# KiCad board weisse_cpu.kicad_pcb (continued)
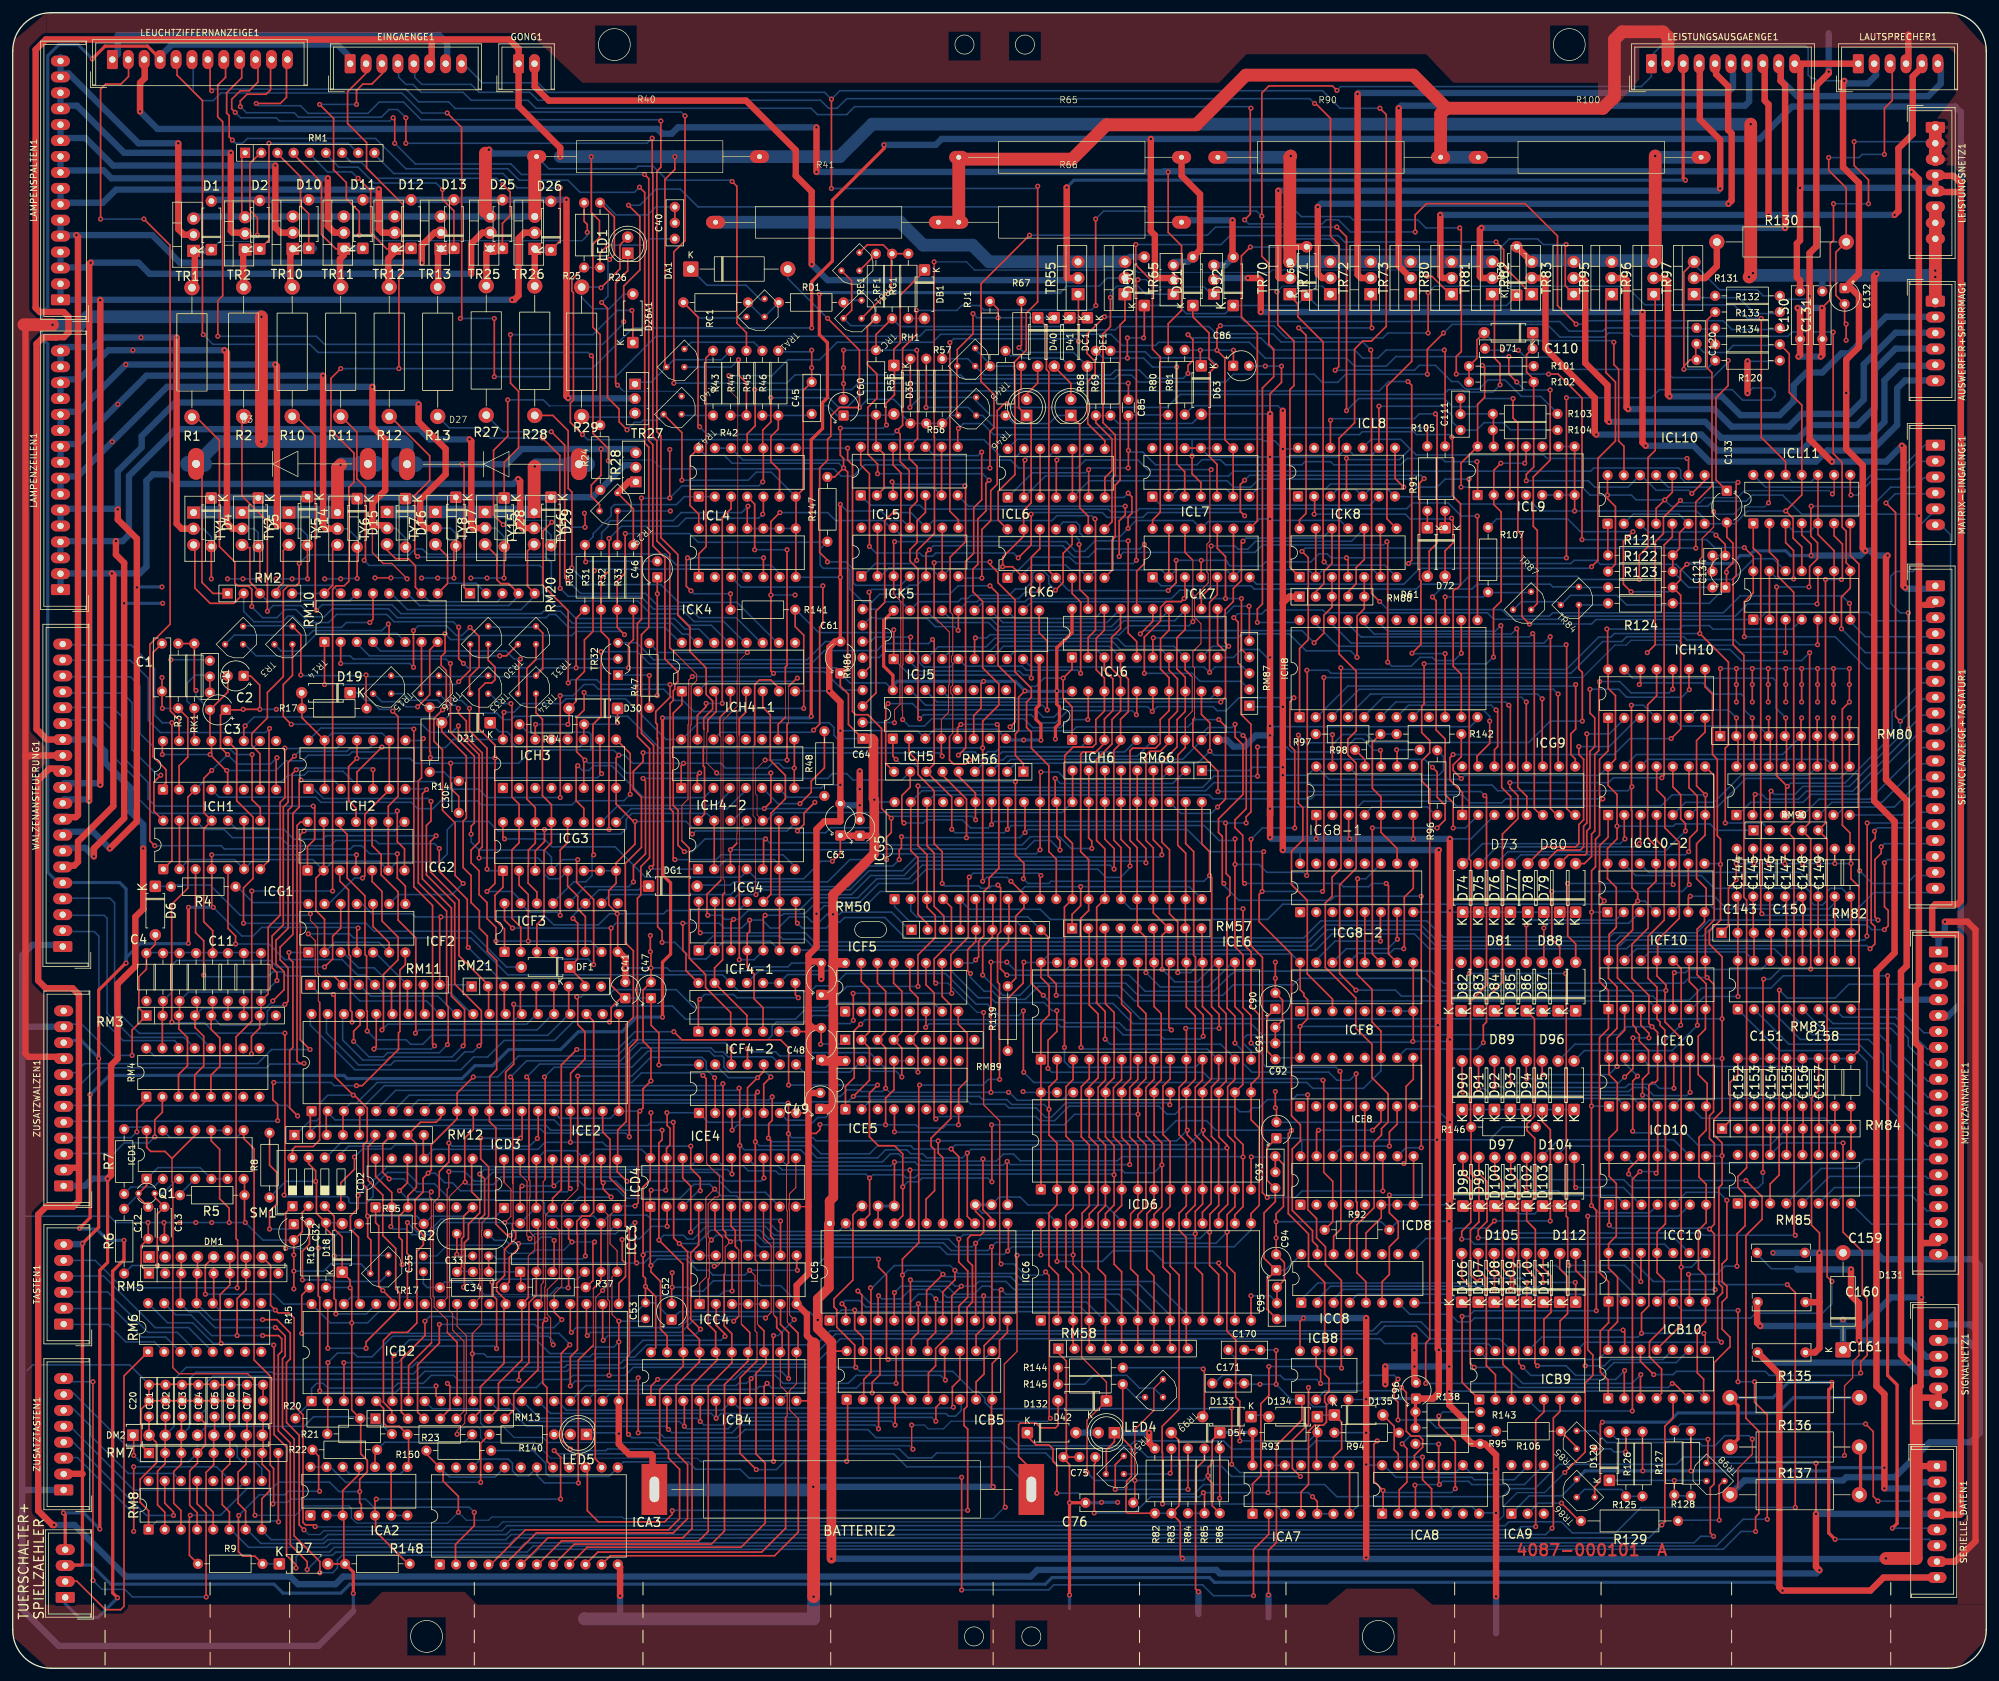
[diagram p0: board, top side]
## Placement (name value [footprint] x y rotation side) (continued)
R25  10 kΩ ±5%  [R_Axial_DIN0207_L6.3mm_D2.5mm_P10.16mm_Horizontal]  89.75 220 90 top
R26  5.6 kΩ ±5%  [R_Axial_DIN0207_L6.3mm_D2.5mm_P10.16mm_Horizontal]  92.25 220 90 top
R27  1,2k 5%  [R_Axial_DIN0414_L11.9mm_D4.5mm_P20.32mm_Horizontal]  74.38 196.8 90 top
R28  1,2k 5%  [R_Axial_DIN0414_L11.9mm_D4.5mm_P20.32mm_Horizontal]  82 196.76 90 top
R29  1,2k 5%  [R_Axial_DIN0414_L11.9mm_D4.5mm_P20.32mm_Horizontal]  89.36 196.6 90 top
R30  10 kΩ ±5%  [R_Axial_DIN0207_L6.3mm_D2.5mm_P10.16mm_Horizontal]  89.87 166.26 90 top
R31  10 kΩ ±5%  [R_Axial_DIN0207_L6.3mm_D2.5mm_P10.16mm_Horizontal]  92.41 166.26 90 top
R32  10 kΩ ±5%  [R_Axial_DIN0207_L6.3mm_D2.5mm_P10.16mm_Horizontal]  94.95 166.26 90 top
R33  470 Ω ±5%  [R_Axial_DIN0207_L6.3mm_D2.5mm_P10.16mm_Horizontal]  97.49 166.25 90 top
R34  100 kΩ ±5%  [R_Axial_DIN0207_L6.3mm_D2.5mm_P10.16mm_Horizontal]  89.75 148.25 180 top
R35  27 kΩ ±5%  [R_Axial_DIN0207_L6.3mm_D2.5mm_P10.16mm_Horizontal]  54.4 69.8 0 top
R37  1 kΩ ±5%  [R_Axial_DIN0207_L6.3mm_D2.5mm_P10.16mm_Horizontal]  79.85 59.85 0 top
R40  15 2%  [BigResistor]  99.55 237.4 0 top
R41  0.68 5W  [BigResistor]  127.65 227.1 0 top
R42  10 kΩ ±5%  [R_Axial_DIN0207_L6.3mm_D2.5mm_P10.16mm_Horizontal]  110 196.75 90 top
R43  150 Ω ±5%  [R_Axial_DIN0207_L6.3mm_D2.5mm_P10.16mm_Horizontal]  112.75 196.75 90 top
R44  820 Ω ±5%  [R_Axial_DIN0207_L6.3mm_D2.5mm_P10.16mm_Horizontal]  115.25 196.75 90 top
R45  10 kΩ ±5%  [R_Axial_DIN0207_L6.3mm_D2.5mm_P10.16mm_Horizontal]  117.75 196.75 90 top
R46  2.2 kΩ ±5%  [R_Axial_DIN0207_L6.3mm_D2.5mm_P10.16mm_Horizontal]  120.25 196.75 90 top
R47  4.7 kΩ ±5%  [R_Axial_DIN0207_L6.3mm_D2.5mm_P10.16mm_Horizontal]  100 150.84 90 top
R48  100 kΩ ±5%  [R_Axial_DIN0207_L6.3mm_D2.5mm_P10.16mm_Horizontal]  127.5 137 90 top
R55  270 Ω ±5%  [R_Axial_DIN0207_L6.3mm_D2.5mm_P10.16mm_Horizontal]  135.6 207 270 top
R56  3.3 kΩ ±5%  [R_Axial_DIN0207_L6.3mm_D2.5mm_P10.16mm_Horizontal]  143.5 195.5 90 top
R57  3.3 kΩ ±5%  [R_Axial_DIN0207_L6.3mm_D2.5mm_P10.16mm_Horizontal]  146 195.5 90 top
R65  4.7 5W  [BigResistor]  165.85 237.3 0 top
R66  4.7 5W  [BigResistor]  165.85 227.1 0 top
R67  270 Ω ±5%  [R_Axial_DIN0207_L6.3mm_D2.5mm_P10.16mm_Horizontal]  158.45 214.7 270 top
R68  10 kΩ ±5%  [R_Axial_DIN0207_L6.3mm_D2.5mm_P10.16mm_Horizontal]  170.13 196.74 90 top
R69  10 kΩ ±5%  [R_Axial_DIN0207_L6.3mm_D2.5mm_P10.16mm_Horizontal]  172.42 196.74 90 top
R70  270 Ω ±5%  [R_Axial_DIN0207_L6.3mm_D2.5mm_P10.16mm_Horizontal]  155.95 206.9 270 top
R80  10 kΩ ±5%  [R_Axial_DIN0207_L6.3mm_D2.5mm_P10.16mm_Horizontal]  181.5 196.84 90 top
R81  270 Ω ±5%  [R_Axial_DIN0207_L6.3mm_D2.5mm_P10.16mm_Horizontal]  184.1 196.9 90 top
R82  3 kΩ ±5%  [R_Axial_DIN0207_L6.3mm_D2.5mm_P10.16mm_Horizontal]  179.4 24.34 90 top
R83  180 Ω ±5%  [R_Axial_DIN0207_L6.3mm_D2.5mm_P10.16mm_Horizontal]  182 24.34 90 top
R84  10 kΩ ±5%  [R_Axial_DIN0207_L6.3mm_D2.5mm_P10.16mm_Horizontal]  184.6 24.34 90 top
R85  27 kΩ ±5%  [R_Axial_DIN0207_L6.3mm_D2.5mm_P10.16mm_Horizontal]  187.2 24.34 90 top
R86  100 kΩ ±5%  [R_Axial_DIN0207_L6.3mm_D2.5mm_P10.16mm_Horizontal]  189.6 24.34 90 top
R90  0.68 5W  [BigResistor]  206.55 237.3 0 top
R91  10 kΩ ±5%  [R_Axial_DIN0207_L6.3mm_D2.5mm_P10.16mm_Horizontal]  222.2 181.76 90 top
R92  10 kΩ ±5%  [R_Axial_DIN0207_L6.3mm_D2.5mm_P10.16mm_Horizontal]  206.07 68.86 0 top
R93  100 kΩ ±5%  [R_Axial_DIN0207_L6.3mm_D2.5mm_P10.16mm_Horizontal]  194.8 37.05 0 top
R94  100 kΩ ±5%  [R_Axial_DIN0207_L6.3mm_D2.5mm_P10.16mm_Horizontal]  207.6 37 0 top
R95  1 kΩ ±5%  [R_Axial_DIN0207_L6.3mm_D2.5mm_P10.16mm_Horizontal]  220.34 35.25 0 top
R96  270 Ω ±5%  [R_Axial_DIN0207_L6.3mm_D2.5mm_P10.16mm_Horizontal]  223.75 134 90 top
R97  270 Ω ±5%  [R_Axial_DIN0207_L6.3mm_D2.5mm_P10.16mm_Horizontal]  214.84 146.71 180 top
R98  270 Ω ±5%  [R_Axial_DIN0207_L6.3mm_D2.5mm_P10.16mm_Horizontal]  210.84 144.25 0 top
R100  R  [BigResistor]  247.45 237.3 0 top
R101  1 kΩ ±5%  [R_Axial_DIN0207_L6.3mm_D2.5mm_P10.16mm_Horizontal]  228.75 204.5 0 top
R102  1 MΩ ±5%  [R_Axial_DIN0207_L6.3mm_D2.5mm_P10.16mm_Horizontal]  228.75 202 0 top
R103  10 kΩ ±5%  [R_Axial_DIN0207_L6.3mm_D2.5mm_P10.16mm_Horizontal]  232.49 197 0 top
R104  5.6 kΩ ±5%  [R_Axial_DIN0207_L6.3mm_D2.5mm_P10.16mm_Horizontal]  232.49 194.46 0 top
R105  10 kΩ ±5%  [R_Axial_DIN0207_L6.3mm_D2.5mm_P10.16mm_Horizontal]  225 191.92 270 top
R106  4.7 kΩ ±5%  [R_Axial_DIN0207_L6.3mm_D2.5mm_P10.16mm_Horizontal]  243.16 37.23 180 top
R107  470 Ω ±5%  [R_Axial_DIN0207_L6.3mm_D2.5mm_P10.16mm_Horizontal]  231.75 179.16 270 top
R120  1 kΩ ±5%  [R_Axial_DIN0207_L6.3mm_D2.5mm_P10.16mm_Horizontal]  267.42 205.38 0 top
R121  220 kΩ ±5%  [R_Axial_DIN0207_L6.3mm_D2.5mm_P10.16mm_Horizontal]  250.6 174.8 0 top
R122  1 MΩ ±5%  [R_Axial_DIN0207_L6.3mm_D2.5mm_P10.16mm_Horizontal]  250.6 172.25 0 top
R123  1 kΩ ±5%  [R_Axial_DIN0207_L6.3mm_D2.5mm_P10.16mm_Horizontal]  250.6 169.75 0 top
R124  10 kΩ ±5%  [R_Axial_DIN0207_L6.3mm_D2.5mm_P10.16mm_Horizontal]  250.6 167.25 0 top
R125  10 kΩ ±5%  [R_Axial_DIN0207_L6.3mm_D2.5mm_P10.16mm_Horizontal]  253.4 27 90 top
R126  1 kΩ ±5%  [R_Axial_DIN0207_L6.3mm_D2.5mm_P10.16mm_Horizontal]  256 27 90 top
R127  4.7 kΩ ±5%  [R_Axial_DIN0207_L6.3mm_D2.5mm_P10.16mm_Horizontal]  261 27.2 90 top
R128  10 kΩ ±5%  [R_Axial_DIN0207_L6.3mm_D2.5mm_P10.16mm_Horizontal]  263.6 27.09 90 top
R129  1 kΩ ±5%  [R_Axial_DIN0309_L9.0mm_D3.2mm_P15.24mm_Horizontal]  261.57 23.13 180 top
R130  51 ±5%  [R_Axial_DIN0414_L11.9mm_D4.5mm_P20.32mm_Horizontal]  267.68 224 0 top
R131  100 kΩ ±5%  [R_Axial_DIN0207_L6.3mm_D2.5mm_P10.16mm_Horizontal]  267.42 215.54 0 top
R132  10 kΩ ±5%  [R_Axial_DIN0207_L6.3mm_D2.5mm_P10.16mm_Horizontal]  267.42 213 0 top
R133  10 kΩ ±5%  [R_Axial_DIN0207_L6.3mm_D2.5mm_P10.16mm_Horizontal]  267.42 210.46 0 top
R134  5.6 kΩ ±5%  [R_Axial_DIN0207_L6.3mm_D2.5mm_P10.16mm_Horizontal]  267.42 207.92 0 top
R135  100 ±5%  [R_Axial_DIN0414_L11.9mm_D4.5mm_P20.32mm_Horizontal]  269.75 42.5 0 top
R136  200 Ω ±5%  [R_Axial_DIN0414_L11.9mm_D4.5mm_P20.32mm_Horizontal]  269.75 34.75 0 top
R137  200 Ω ±5%  [R_Axial_DIN0414_L11.9mm_D4.5mm_P20.32mm_Horizontal]  269.75 27.25 0 top
R138  4.7 kΩ ±5%  [R_Axial_DIN0207_L6.3mm_D2.5mm_P10.16mm_Horizontal]  220.34 40.25 0 top
R139  4.7 kΩ ±5%  [R_Axial_DIN0207_L6.3mm_D2.5mm_P10.16mm_Horizontal]  156.3 96.95 90 top
R140  220 Ω ±5%  [R_Axial_DIN0207_L6.3mm_D2.5mm_P10.16mm_Horizontal]  74.88 36.72 0 top
R141  4.7 kΩ ±5%  [R_Axial_DIN0207_L6.3mm_D2.5mm_P10.16mm_Horizontal]  112.75 166.25 0 top
R142  4.7 kΩ ±5%  [R_Axial_DIN0207_L6.3mm_D2.5mm_P10.16mm_Horizontal]  217.38 146.71 0 top
R143  27 kΩ ±5%  [R_Axial_DIN0207_L6.3mm_D2.5mm_P10.16mm_Horizontal]  220.34 37.75 0 top
R144  3 kΩ ±5%  [R_Axial_DIN0207_L6.3mm_D2.5mm_P10.16mm_Horizontal]  164.2 47.2 0 top
R145  ~  [R_Axial_DIN0207_L6.3mm_D2.5mm_P10.16mm_Horizontal]  164.2 44.6 0 top
R146  4.7 kΩ ±5%  [R_Axial_DIN0207_L6.3mm_D2.5mm_P10.16mm_Horizontal]  229.09 85 0 top
R147  3.3 kΩ ±5%  [R_Axial_DIN0207_L6.3mm_D2.5mm_P10.16mm_Horizontal]  127.97 176.93 90 top
R148  3,3M 5%  [R_Axial_DIN0207_L6.3mm_D2.5mm_P10.16mm_Horizontal]  52.2 16.4 0 top
R150  100 kΩ ±5%  [R_Axial_DIN0207_L6.3mm_D2.5mm_P10.16mm_Horizontal]  64.98 34.18 0 top
RC1  10 kΩ ±5%  [R_Axial_DIN0207_L6.3mm_D2.5mm_P10.16mm_Horizontal]  105.34 214.5 0 top
RD1  1 kΩ ±5%  [R_Axial_DIN0207_L6.3mm_D2.5mm_P10.16mm_Horizontal]  120.34 214.5 0 top
RE1  10 kΩ ±5%  [R_Axial_DIN0207_L6.3mm_D2.5mm_P10.16mm_Horizontal]  135.59 211.98 90 top
RF1  100 Ω ±5%  [R_Axial_DIN0207_L6.3mm_D2.5mm_P10.16mm_Horizontal]  138.13 211.98 90 top
RG1  47 Ω ±5%  [R_Axial_DIN0207_L6.3mm_D2.5mm_P10.16mm_Horizontal]  140.67 212 90 top
RH1  10 kΩ ±5%  [R_Axial_DIN0207_L6.3mm_D2.5mm_P10.16mm_Horizontal]  141 195.5 90 top
RJ1  10 kΩ ±5%  [R_Axial_DIN0207_L6.3mm_D2.5mm_P10.16mm_Horizontal]  153.5 204.49 90 top
RK1  17 kΩ ±5%  [R_Axial_DIN0207_L6.3mm_D2.5mm_P10.16mm_Horizontal]  28.53 150.77 90 top
RM1  BS471J  [R_Array_SIP9]  36.5 238 0 top
RM2  R_Network04  [R_Array_SIP5]  33.74 168.8 0 top
RM3  R_Network08  [R_Array_SIP9]  21.01 102.5 0 top
RM4  10k  [DIP-16_W7.62mm]  20.97 89.75 90 top
RM5  10k  [R_Array_SIP9]  21.4 62 0 top
RM6  10k  [DIP-16_W7.62mm]  21.26 49.7 90 top
RM7  R_Network08  [R_Array_SIP9]  21.4 33.8 0 top
RM8  10k  [DIP-16_W7.62mm]  21.34 21.8 90 top
RM10  100  [DIP-16_W7.62mm]  48.97 161.18 90 top
RM11  R_Network08  [R_Array_SIP9]  46.75 107.34 0 top
RM12  R_Network08  [R_Array_SIP9]  44.25 83.75 0 top
RM13  RKL 9S 273J  [R_Array_SIP9]  57 39.2 0 top
RM20  R_Network04  [R_Array_SIP5]  71.84 168.8 0 top
RM21  R_Network08  [R_Array_SIP9]  72.09 107.08 0 top
RM50  R_Network08  [R_Array_SIP9]  141.18 115.97 0 top
RM56  R_Network08  [R_Array_SIP9]  158.75 140.8 180 top
RM57  R_Network08  [R_Array_SIP9]  166.4 116.2 0 top
RM58  R_Network08  [R_Array_SIP9]  164.25 50.2 0 top
RM66  R_Network08  [R_Array_SIP9]  186.8 141 180 top
RM80  R_Network08  [R_Array_SIP9]  268.2 146.4 0 top
RM81  10k  [DIP-16_W7.62mm]  270.75 134 90 top
RM82  R_Network08  [R_Array_SIP9]  268.4 115.5 0 top
RM83  10k  [DIP-16_W7.62mm]  270.97 103.5 90 top
RM84  A103J  [R_Array_SIP9]  268.5 84.75 0 top
RM85  10k  [DIP-16_W7.62mm]  270.97 73 90 top
RM86  R_Network08  [R_Array_SIP9]  133.5 146 90 top
RM87  R_Network04  [R_Array_SIP5]  194.25 151.17 90 top
RM88  R_Network04  [R_Array_SIP5]  202.14 168.3 0 top
RM89  R_Network08  [R_Array_SIP9]  130.76 98.7 0 top
RM90  R_Network04  [R_Array_SIP5]  273.44 131.6 0 top
SERIELLE_DATEN1  Conn_01x08_Pin  [Lumberg_MSF_B8B-MSF-A_1x08_P2.50mm_Vertical]  302.25 31.75 270 top
SERVICEANZEIGE+TASTATUR1  Conn_01x20_Male  [Lumberg_MSF_B20B-MSF-A_1x20_P2.50mm_Vertical]  302 170 270 top
SIGNALNETZ1  Conn_01x06_Male  [Lumberg_MSF_B6B-MSF-A_1x06_P2.50mm_Vertical]  302.5 54 270 top
SM1  SW_DIP_x04  [SW_DIP_SPSTx04_Slide_9.78x12.34mm_W7.62mm_P2.54mm]  43.94 72.58 90 top
TASTEN1  Conn_01x06_Pin  [Lumberg_MSF_B6B-MSF-A_1x06_P2.50mm_Vertical]  8 54.05 90 top
TR1  BDX34B  [TO-220-3_Vertical]  28.4 222.6 90 top
TR2  BDX34B  [TO-220-3_Vertical]  36.5 222.8 90 top
TR3  BC237  [BigTransistor]  37.25 159.75 225 top
TR10  BDX34B  [TO-220-3_Vertical]  44 222.92 90 top
TR11  BDX34B  [TO-220-3_Vertical]  52 222.92 90 top
TR12  BDX34B  [TO-220-3_Vertical]  60 222.92 90 top
TR13  BDX54C  [TO-220-3_Vertical]  67.26 222.92 90 top
TR14  BC237  [BigTransistor]  45 159.75 225 top
TR15  BC237  [BigTransistor]  60.5 152 225 top
TR16  BC237  [BigTransistor]  68 152 225 top
TR17  BS170  [BigTransistor]  60.06 60.94 225 top
TR25  BDX34B  [TO-220-3_Vertical]  75 222.92 90 top
TR26  BDX34B  [TO-220-3_Vertical]  82 222.92 90 top
TR27  BD140  [TO-126-3_Vertical]  97.74 201.69 270 top
TR28  BD139  [TO-126-3_Vertical]  97.87 186.33 90 top
TR29  BC557  [BigTransistor]  96.06 180.69 225 top
TR30  BC237  [BigTransistor]  75.75 159.75 225 top
TR31  BC237  [BigTransistor]  83.25 159.75 225 top
TR32  BD679  [TO-92_Inline_Wide]  95.08 155.98 90 top
TR33  BC237  [BigTransistor]  75.75 152 225 top
TR34  BC237  [BigTransistor]  83.25 152 225 top
TR40  BC557  [BigTransistor]  106.56 203.29 225 top
TR41  BC557  [BigTransistor]  106.12 195.88 225 top
TR45  BC557  [BigTransistor]  152.25 203.44 225 top
TR46  BC557  [BigTransistor]  152.4 195.7 225 top
TR55  BDX53C  [TO-220-3_Vertical]  167.34 215.79 90 top
TR56  BDX53C  [TO-220-3_Vertical]  174.71 215.79 90 top
TR57  BC307B  [BigTransistor]  175.6 29.44 225 top
TR65  BD139  [TO-126-3_Vertical]  182.33 215.79 90 top
TR66  BD139  [TO-126-3_Vertical]  188.68 215.79 90 top
TR70  BDX53C  [TO-220-3_Vertical]  200.61 215.79 90 top
TR71  BDX53C  [TO-220-3_Vertical]  206.96 215.79 90 top
TR72  BDX53C  [TO-220-3_Vertical]  213.31 215.79 90 top
TR73  BDX53C  [TO-220-3_Vertical]  219.6 215.79 90 top
TR80  BDX53C  [TO-220-3_Vertical]  226.01 215.79 90 top
TR81  BDX53C  [TO-220-3_Vertical]  232.4 215.8 90 top
TR82  BDX53C  [TO-220-3_Vertical]  238.6 215.79 90 top
TR83  BDX53C  [TO-220-3_Vertical]  245.2 215.8 90 top
TR84  NMOS  [BigTransistor]  247.06 165.94 225 top
TR85  BC237  [BigTransistor]  244.6 33.4 135 top
TR86  BC327  [BigTransistor]  244.6 25.8 135 top
TR87  NMOS  [BigTransistor]  239.56 165.19 225 top
TR95  BDX53C  [TO-220-3_Vertical]  251.16 215.79 90 top
TR96  BDX53C  [TO-220-3_Vertical]  257.76 215.79 90 top
TR97  Q_NPN_Darlington_BCE  [TO-220-3_Vertical]  264.11 215.79 90 top
TR98  BC327  [BigTransistor]  265 28.34 135 top
TR99  BC557  [BigTransistor]  181.75 41.5 225 top
TRA1  BC327  [BigTransistor]  119.16 211.18 225 top
TRB1  BC237  [BigTransistor]  134.06 218.44 225 top
TRC1  BC237  [BigTransistor]  134.39 210.94 225 top
TUERSCHALTER+SPIELZAEHLER1  Conn_01x04_Pin  [Lumberg_MSF_B4B-MSF-A_1x04_P2.50mm_Vertical]  8.25 11.13 90 top
TY1  TIC126  [TO-220-3_Vertical]  28.4 181.5 270 top
TY2  TIC126  [TO-220-3_Vertical]  36.02 181.5 270 top
TY5  TIC126  [TO-220-3_Vertical]  43.39 181.5 270 top
TY6  TIC126  [TO-220-3_Vertical]  51.01 181.5 270 top
TY7  TIC126  [TO-220-3_Vertical]  58.8 181.6 270 top
TY8  TIC126  [TO-220-3_Vertical]  66.4 181.6 270 top
TY15  TIC126  [TO-220-3_Vertical]  74.2 181.6 270 top
TY16  TIC126  [TO-220-3_Vertical]  81.9 181.6 270 top
WALZENANSTEUERUNG1  Conn_01x20_Pin  [Lumberg_MSF_B20B-MSF-A_1x20_P2.50mm_Vertical]  7.85 113.35 90 top
ZUSATZTASTEN1  Conn_01x08_Pin  [Lumberg_MSF_B8B-MSF-A_1x08_P2.50mm_Vertical]  8 28 90 top
ZUSATZWALZEN1  Conn_01x12_Pin  [Lumberg_MSF_B12B-MSF-A_1x12_P2.50mm_Vertical]  8 75.75 90 top  (not fitted)

## Library data of the parts
AUSWERFER+SPERRMAG1 LAUTSPRECHER1 MATRIX-EINGAENGE1 SIGNALNETZ1 TASTEN1 = -: Description: Generic connector, single row, 01x06, script generated; ki_fp_filters: Connector*:*_1x??_*
BATTERIE2 = -: Description: Single-cell battery; Sim.Device: V; Sim.Type: DC; Sim.Pins: 1=+ 2=-
C1-C13 C30 C32 C33 C35 C41 C46-C50 C52 C53 C60 C61 C63 C64 C76 C85 C86 C110 C130 C131 C133 C134 C143-C161 = -: Description: Unpolarized capacitor; ki_fp_filters: C_*
C20-C27 C34 C40 C45 C75 C91 C93 C95 C111 C120 C170 C171 CI1 = -: Description: Unpolarized capacitor; KiLib_Generator: capacitor/THT/other; ki_fp_filters: C_*
C90 C92 C94 C96 C132 = -: Description: Polarized capacitor; ki_fp_filters: CP_*
C121 = -: Description: Polarized capacitor; KiLib_Generator: capacitor/THT/other; ki_fp_filters: CP_*
D1-D5 D7 D10-D19 D21 D25 D26 D26A1 D27-D30 D35 D40 D41 D50-D52 D54 D60 D61 D70-D112 D120 D133-D135 DC1 DE1 DF1 DG1 = -: Description: Diode; Sim.Pins: 1=K 2=A; ki_fp_filters: TO-???* *_Diode_* *SingleDiode* D_*
D6 = -: Description: Zener diode; Sim.Pins: 1=K 2=A; ki_fp_filters: TO-???* *_Diode_* *SingleDiode* D_*
D42 D63 D131 DB1 = -: Description: Zener diode; Sim.Device: D; Sim.Pins: 1=K 2=A; ki_fp_filters: TO-???* *_Diode_* *SingleDiode* D_*
D132 = -: Description: Schottky diode; Sim.Pins: 1=K 2=A; ki_fp_filters: TO-???* *_Diode_* *SingleDiode* D_*
DA1 = -: Description: Diode; Sim.Device: D; Sim.Pins: 1=K 2=A; ki_fp_filters: TO-???* *_Diode_* *SingleDiode* D_*
DM1 DM2 = -: Datasheet: https://diotec.com/request/datasheet/dan801.pdf
EINGAENGE1 LEISTUNGSNETZ1 SERIELLE_DATEN1 ZUSATZTASTEN1 = -: Description: Generic connector, single row, 01x08, script generated; ki_fp_filters: Connector*:*_1x??_*
GONG1 = -: Description: Generic connector, single row, 01x02, script generated; ki_fp_filters: Connector*:*_1x??_*
ICA2 ICF2 ICF4-1 ICG1 ICG2 ICG4 ICH2 ICK5-ICK8 ICK11 ICL5 ICL7 = -: Datasheet: http://www.ti.com/lit/ds/symlink/lm2902-n.pdf; Description: Low-Power, Quad-Operational Amplifiers, DIP-14/SOIC-14/SSOP-14; ki_fp_filters: SOIC*3.9x8.7mm*P1.27mm* DIP*W7.62mm* TSSOP*4.4x5mm*P0.65mm* SSOP*5.3x6.2mm*P0.65mm* MSOP*3x3mm*P0.5mm*
ICA3 = -: Datasheet: https://pdf1.alldatasheet.com/datasheet-pdf/view/115059/HITACHI/HD146818.html
ICA7 ICB9 ICB10 ICC10 ICD10 ICE10 ICF10 ICG10-1 ICG10-2 ICH10 = -: Datasheet: http://www.ti.com/lit/ds/symlink/cd4066b.pdf; Description: Quad Analog Switches; ki_fp_filters: DIP?14*
ICA8 = -: Datasheet: https://assets.nexperia.com/documents/data-sheet/HEF40106B.pdf; Description: Hex Schmitt trigger inverter; ki_fp_filters: DIP?14*
ICA9 = -: Datasheet: http://www.vishay.com/docs/83606/cny17.pdf; Description: DC Optocoupler Base Connected, Vce 70V, CTR 40-80%, Viso 5000V (RMS), DIP6; ki_fp_filters: DIP*W7.62mm* DIP*W10.16mm* SMDIP*W9.53mm*
ICB2 = -: ki_fp_filters: IC_DIP40_600*
ICB4 = -: Datasheet: http://www.ti.com/lit/gpn/sn74LS245; Description: Octal BUS Transceivers, 3-State outputs; ki_fp_filters: DIP?20*
ICB5 = -: Datasheet: http://www.ti.com/lit/gpn/sn74LS373; Description: 8-bit Latch, 3-state outputs; ki_fp_filters: DIP?20* SOIC?20* SO?20* SSOP?20* TSSOP?20*
ICB8 = -: Datasheet: http://www.intersil.com/content/dam/Intersil/documents/icm7/icm7555-56.pdf; Description: CMOS General Purpose Timer, 555 compatible, PDIP-8; ki_fp_filters: DIP*W7.62mm*
ICC3 = -: Datasheet: http://www.ti.com/lit/gpn/sn74LS04; Description: Hex Inverter; ki_fp_filters: DIP*W7.62mm* SSOP?14* TSSOP?14*
ICC4 = -: Datasheet: http://www.ti.com/lit/gpn/sn74ls00; Description: quad 2-input NAND gate; ki_fp_filters: DIP*W7.62mm* SO14*
ICC5 = -: Datasheet: http://ee.hawaii.edu/~sasaki/EE260/Labs/Datasheets/m2732a.pdf; Description: UV Erasable EPROM 32 KiBit, [Obsolete]; ki_fp_filters: DIP*W15.24mm*
ICC6 = -: Datasheet: https://ecee.colorado.edu/~mcclurel/Cypress_SRAM_CY62256.pdf; Description: 256K (32K x 8) Static RAM, 70ns, DIP-28; KiLib_Generator: package/DIP/legacy; ki_fp_filters: DIP*W15.24mm*
ICC8 ICE5 ICF5 = -: Datasheet: http://www.ti.com/lit/gpn/sn74LS42; Description: 4 to 10 line Decoder; ki_fp_filters: DIP?16*
ICD2 = -: Datasheet: 74xx/74hc_hct74.pdf; Description: Dual D Flip-flop, Set & Reset; ki_fp_filters: DIP*W7.62mm*
ICD3 = -: Datasheet: http://www.ti.com/lit/gpn/sn74LS257; Description: Quad 2 to 1 Multiplexer; ki_fp_filters: DIP?16*
ICD4 = -: Datasheet: http://www.ti.com/lit/ds/symlink/sn74ls244.pdf; Description: Octal Buffer and Line Driver With 3-State Output, active-low enables, non-inverting outputs; ki_fp_filters: DIP?20*
ICD6 ICE6 = -: Datasheet: http://eeshop.unl.edu/pdf/27128.pdf; Description: UV Erasable EPROM 128 KiBit, [Obsolete 2000-11]; ki_fp_filters: DIP*W15.24mm*
ICD8 ICF8 = -: Datasheet: http://www.ti.com/lit/ds/symlink/cd4052b.pdf; Description: CMOS single 8-channel analog multiplexer demultiplexer, TSSOP-16/DIP-16/SOIC-16; ki_fp_filters: TSSOP*4.4x5mm*P0.65mm* DIP*W7.62* SOIC*3.9x9.9mm*P1.27mm* SO*5.3x10.2mm*P1.27mm*
ICE2 = -: Description: Multifunction microprocessor support controller; ki_fp_filters: DIP* PDIP*
ICE8 ICG8-2 ICH3 = -: Datasheet: http://www.intersil.com/content/dam/Intersil/documents/cd40/cd4020bms-24bms-40bms.pdf; Description: Binary Counter 12 stages (Asynchronous); ki_fp_filters: DIP?16*
ICF3 = -: Datasheet: http://www.intersil.com/content/dam/Intersil/documents/cd40/cd4028bms.pdf; Description: Decoder 4 to 10 lines; ki_fp_filters: DIP?16*
ICF4-2 ICK4 ICL8 = -: Datasheet: http://www.onsemi.com/pub/Collateral/MC14013B-D.PDF; Description: Dual D  FlipFlop, Set & reset; ki_fp_filters: DIP*W7.62mm* SOIC*3.9x9.9mm*P1.27mm* TSSOP*4.4x5mm*P0.65mm*
ICG3 = -: Datasheet: http://www.intersil.com/content/dam/Intersil/documents/cd40/cd4051bms-52bms-53bms.pdf; Description: Analog Multiplexer 8 to 1 lins; ki_fp_filters: DIP?16*
ICG5 = -: Description: Programmable Keyboard/Display Interface
ICG8-1 = -: Datasheet: http://www.ti.com/lit/gpn/sn74LS290; Description: 4-bit BCD counter; ki_fp_filters: DIP?12*
ICH1 = -: Datasheet: http://www.ti.com/lit/ds/symlink/cd4098b.pdf; Description: Dual Monostable Multivibrator; ki_fp_filters: DIP*W7.62mm* SOIC*3.9x9.9mm*P1.27mm* TSSOP*4.4x5mm*P0.65mm*
ICH4-1 = -: Datasheet: http://www.ti.com/lit/ds/symlink/uln2003a.pdf; Description: High Voltage, High Current Darlington Transistor Arrays, SOIC16/SOIC16W/DIP16/TSSOP16; ki_fp_filters: DIP*W7.62mm* SOIC*3.9x9.9mm*P1.27mm* SSOP*4.4x5.2mm*P0.65mm* TSSOP*4.4x5mm*P0.65mm* SOIC*W*5.3x10.2mm*P1.27mm*
ICH4-2 = -: Datasheet: http://www.intersil.com/content/dam/Intersil/documents/cd45/cd4518bms-20bms.pdf; Description: Dual Binary Up-Counter; ki_fp_filters: DIP?16*
ICH5 = -: Datasheet: http://www.ti.com/lit/gpn/sn74LS138; Description: Decoder 3 to 8 active low outputs; ki_fp_filters: DIP?16*
ICH6 ICJ5 ICJ6 = -: Datasheet: https://assets.nexperia.com/documents/data-sheet/74AHC_AHCT273.pdf; Description: 8-bit D Flip-Flop, reset; ki_fp_filters: DIP?20* SO?20* SOIC?20*
ICH8 = -: Datasheet: http://www.ti.com/lit/ds/symlink/cd74hc4067.pdf; Description: High-Speed CMOS Logic 16-Channel Analog Multiplexer/Demultiplexer, SOIC-24; ki_fp_filters: SOIC*W*7.5x15.4mm*P1.27mm*
ICL10 = -: Datasheet: http://www.ti.com/lit/ds/symlink/ne556.pdf; Description: Dual Precision Timers, DIP-14/SOIC-14; ki_fp_filters: DIP*W7.62mm* TSSOP*5.3x6.2mm*P0.65mm* SOIC*3.9x8.7mm*P1.27mm*
ICL11 = -: Description: Quad operational amplifier; Sim.Name: kicad_builtin_opamp_quad; Sim.Device: SUBCKT; Sim.Pins: 1=out1 2=in1- 3=in1+ 4=vcc 5=in2+ 6=in2- 7=out2 8=out3 9=in3- 10=in3+ 11=vee 12=in4+ 13=in4- 14=out4; ki_fp_filters: SOIC*3.9x8.7mm*P1.27mm* DIP*W7.62mm* TSSOP*4.4x5mm*P0.65mm* SSOP*5.3x6.2mm*P0.65mm*
JP1 JP2 = -: Description: Jumper, 3-pole, pins 1+2 closed/bridged; ki_fp_filters: Jumper* TestPoint*3Pads* TestPoint*Bridge*
LAMPENSPALTEN1 LAMPENZEILEN1 = -: Description: Generic connector, single row, 01x16, script generated; ki_fp_filters: Connector*:*_1x??_*
LED1-LED5 = -: Description: Light emitting diode; Sim.Pins: 1=K 2=A; ki_fp_filters: LED* LED_SMD:* LED_THT:*
LEISTUNGSAUSGAENGE1 = -: Description: Generic connector, single row, 01x10, script generated; ki_fp_filters: Connector*:*_1x??_*
LEUCHTZIFFERNANZEIGE1 ZUSATZWALZEN1 = -: Description: Generic connector, single row, 01x12, script generated; ki_fp_filters: Connector*:*_1x??_*
MUENZANNAHME1 SERVICEANZEIGE+TASTATUR1 WALZENANSTEUERUNG1 = -: Description: Generic connector, single row, 01x20, script generated; ki_fp_filters: Connector*:*_1x??_*
Q1 Q2 = -: Description: Two pin crystal; ki_fp_filters: Crystal*
R1-R17 R19-R35 R37 R40-R48 R55-R57 R65-R70 R80-R86 R90-R98 R100-R107 R120-R148 R150 RC1 RD1 RE1 RF1 RG1 RH1 RJ1 RK1 = -: Description: Resistor; ki_fp_filters: R_*
RM1 = -: Datasheet: http://www.vishay.com/docs/31509/csc.pdf; Description: 8 resistor network, star topology, bussed resistors, split; ki_fp_filters: R?Array?SIP*
RM2 RM20 RM87 RM88 RM90 = -: Datasheet: http://www.vishay.com/docs/31509/csc.pdf; Description: 4 resistor network, star topology, bussed resistors, small symbol; ki_fp_filters: R?Array?SIP*
RM3 RM5 RM7 RM11-RM13 RM21 RM50 RM56-RM58 RM66 RM80 RM82 RM84 RM86 RM89 = -: Datasheet: http://www.vishay.com/docs/31509/csc.pdf; Description: 8 resistor network, star topology, bussed resistors, small symbol; ki_fp_filters: R?Array?SIP*
RM4 RM10 = -: Description: 8 resistor network, parallel topology, split; ki_fp_filters: DIP* SOIC* R*Array*Concave* R*Array*Convex*
RM6 RM8 RM81 RM83 RM85 = -: Description: 8 resistor network, parallel topology; ki_fp_filters: DIP* SOIC* R*Array*Concave* R*Array*Convex*
SM1 = -: Description: 4x DIP Switch, Single Pole Single Throw (SPST) switch, small symbol; ki_fp_filters: SW?DIP?x4*
TR1 TR2 TR10-TR13 TR25 TR26 TR32 TR55 TR56 TR70-TR73 TR80-TR83 TR95-TR97 = -: Description: NPN Darlington transistor, base/collector/emitter
TR3 TR14-TR16 TR30 TR31 TR33 TR34 TR85 TR98 TRB1 TRC1 = -: Datasheet: http://www.onsemi.com/pub_link/Collateral/BC237-D.PDF; Description: 100mA Ic, 50V Vce, Epitaxial Silicon NPN Transistor, TO-92; Sim.Device: NPN; Sim.Pins: 1=C 2=B 3=E; ki_fp_filters: TO?92*
TR17 = -: Datasheet: https://www.onsemi.com/pub/Collateral/BS170-D.PDF; Description: 0.5A Id, 60V Vds, N-Channel MOSFET, TO-92; ki_fp_filters: TO?92*
TR27 = -: Datasheet: http://www.st.com/internet/com/TECHNICAL_RESOURCES/TECHNICAL_LITERATURE/DATASHEET/CD00001225.pdf; Description: 1.5A Ic, 80V Vce, Low Voltage Transistor, TO-126; Sim.Device: PNP; Sim.Pins: 1=E 2=C 3=B; ki_fp_filters: TO?126*
TR28 TR65 TR66 = -: Description: NPN transistor, base/collector/emitter; Sim.Device: NPN; Sim.Pins: 1=B 2=C 3=E
TR29 TR40 TR41 TR45 TR46 TR57 TR99 = -: Datasheet: https://www.onsemi.com/pub/Collateral/BC556BTA-D.pdf; Description: 0.1A Ic, 45V Vce, PNP Small Signal Transistor, TO-92; Sim.Device: PNP; Sim.Pins: 1=C 2=B 3=E; ki_fp_filters: TO?92*
TR84 TR87 = -: Datasheet: https://ngspice.sourceforge.io/docs/ngspice-html-manual/manual.xhtml#cha_MOSFETs; Description: N-MOSFET transistor, drain/source/gate; Sim.Pins: 1=D 2=G 3=S; Sim.Type: VDMOS
TR86 TRA1 = -: Datasheet: http://www.onsemi.com/pub_link/Collateral/BC327-D.PDF; Description: 0.8A Ic, 45V Vce, PNP Transistor, TO-92; Sim.Device: PNP; Sim.Pins: 1=C 2=B 3=E; ki_fp_filters: TO?92*
TUERSCHALTER+SPIELZAEHLER1 = -: Description: Generic connector, single row, 01x04, script generated; ki_fp_filters: Connector*:*_1x??_*
TY1 TY2 TY5-TY8 TY15 TY16 = -: Datasheet: https://cdn-reichelt.de/documents/datenblatt/A400/TIC126.pdf; Description: 12A Ion, 400-800V Voff, Silicon Controlled Rectifier (Thyristor), TO-220; ki_fp_filters: TO?220*

## Footprints (pads in the part's own frame, mm; a bottom-side part is the same pattern mirrored in y, then rotated)
Batterie
  rect 4x8 hole 1.5x4: 1(30,0) 2(-29.21,0)
BigDiode
  rrect 2.5x2.5 hole 1.245: 1(-13.5,0) 2(13.5,0)
  oval 2.5x5 smd: 1(-13.5,0) 2(13.5,0)
  oval 5x2.5 smd far side: 1(-13.5,0) 2(13.5,0)
BigResistor
  oval 3x2 hole 0.762: 1(-17.25,0) 2(17.75,0)
BigTransistor
  round 1 hole 0.4: 1(-2,-3.5) 2(0,-1.5) 3(2,-3.5)
C_Axial_L3.8mm_D2.6mm_P7.50mm_Horizontal
  round 1.6 hole 0.8: 1(0,0) 2(7.5,0)
C_Disc_D3.0mm_W1.6mm_P2.50mm
  round 1.6 hole 0.8: 1(0,0) 2(2.5,0)
C_Disc_D4.3mm_W1.9mm_P5.00mm
  round 1.6 hole 0.8: 1(0,0) 2(5,0)
C_Rect_L4.6mm_W2.0mm_P2.50mm_MKS02_FKP02
  round 1.4 hole 0.7: 1(0,0) 2(2.5,0)
C_Rect_L7.0mm_Double2
  round 1.6 hole 0.8: 1(0,0) 2(2.5,0) 2(5,0)
C_Rect_L7.2mm_W2.5mm_P5.00mm_FKS2_FKP2_MKS2_MKP2
  round 1.6 hole 0.8: 1(0,0) 2(5,0)
C_Rect_L9.0mm_W2.5mm_P7.50mm_MKT
  round 1.6 hole 0.8: 1(0,0) 2(7.5,0)
CP_Radial_Tantal_D4.5mm_P2.50mm
  rrect 1.6x1.6 hole 0.8: 1(0,0)
  round 1.6 hole 0.8: 2(2.5,0)
CP_Radial_Tantal_D4.5mm_P5.00mm
  rrect 1.6x1.6 hole 0.8: 1(0,0)
  round 1.6 hole 0.8: 2(5,0)
Crystal_AT310_D3.0mm_L10.0mm_Vertical
  round 1 hole 0.5: 1(0,0) 2(2.54,0)
Crystal_HC18-U_Vertical
  round 1.5 hole 0.8: 1(0,0) 2(4.9,0)
D_A-405_P7.62mm_Horizontal
  rrect 1.8x1.8 hole 0.9: 1(0,0)
  round 1.8 hole 0.9: 2(7.62,0)
D_DO-15_P15.24mm_Horizontal
  rrect 2.4x2.4 hole 1.2: 1(0,0)
  round 2.4 hole 1.2: 2(15.24,0)
DIP-6_W7.62mm
  rrect 1.6x1.6 hole 0.8: 1(0,0)
  round 1.6 hole 0.8: 2(0,-2.54) 3(0,-5.08) 4(7.62,-5.08) 5(7.62,-2.54) 6(7.62,0)
DIP-8_W7.62mm
  rrect 1.6x1.6 hole 0.8: 1(0,0)
  round 1.6 hole 0.8: 2(0,-2.54) 3(0,-5.08) 4(0,-7.62) 5(7.62,-7.62) 6(7.62,-5.08) 7(7.62,-2.54) 8(7.62,0)
DIP-14_W7.62mm
  rrect 1.6x1.6 hole 0.8: 1(0,0)
  round 1.6 hole 0.8: 2(0,-2.54) 3(0,-5.08) 4(0,-7.62) 5(0,-10.16) 6(0,-12.7) 7(0,-15.24) 8(7.62,-15.24) 9(7.62,-12.7) 10(7.62,-10.16) 11(7.62,-7.62) 12(7.62,-5.08) 13(7.62,-2.54) 14(7.62,0)
DIP-16_W7.62mm
  rrect 1.6x1.6 hole 0.8: 1(0,0)
  round 1.6 hole 0.8: 2(0,-2.54) 3(0,-5.08) 4(0,-7.62) 5(0,-10.16) 6(0,-12.7) 7(0,-15.24) 8(0,-17.78) 9(7.62,-17.78) 10(7.62,-15.24) 11(7.62,-12.7) 12(7.62,-10.16) 13(7.62,-7.62) 14(7.62,-5.08) 15(7.62,-2.54) 16(7.62,0)
DIP-20_W7.62mm
  rrect 1.6x1.6 hole 0.8: 1(0,0)
  round 1.6 hole 0.8: 2(0,-2.54) 3(0,-5.08) 4(0,-7.62) 5(0,-10.16) 6(0,-12.7) 7(0,-15.24) 8(0,-17.78) 9(0,-20.32) 10(0,-22.86) 11(7.62,-22.86) 12(7.62,-20.32) 13(7.62,-17.78) 14(7.62,-15.24) 15(7.62,-12.7) 16(7.62,-10.16) 17(7.62,-7.62) 18(7.62,-5.08) 19(7.62,-2.54) 20(7.62,0)
DIP-24_W15.24mm
  rrect 1.6x1.6 hole 0.8: 1(0,0)
  round 1.6 hole 0.8: 2(0,-2.54) 3(0,-5.08) 4(0,-7.62) 5(0,-10.16) 6(0,-12.7) 7(0,-15.24) 8(0,-17.78) 9(0,-20.32) 10(0,-22.86) 11(0,-25.4) 12(0,-27.94) 13(15.24,-27.94) 14(15.24,-25.4) 15(15.24,-22.86) 16(15.24,-20.32) 17(15.24,-17.78) 18(15.24,-15.24) 19(15.24,-12.7) 20(15.24,-10.16) 21(15.24,-7.62) 22(15.24,-5.08) 23(15.24,-2.54) 24(15.24,0)
DIP-28_W15.24mm
  rrect 1.6x1.6 hole 0.8: 1(0,0)
  round 1.6 hole 0.8: 2(0,-2.54) 3(0,-5.08) 4(0,-7.62) 5(0,-10.16) 6(0,-12.7) 7(0,-15.24) 8(0,-17.78) 9(0,-20.32) 10(0,-22.86) 11(0,-25.4) 12(0,-27.94) 13(0,-30.48) 14(0,-33.02) 15(15.24,-33.02) 16(15.24,-30.48) 17(15.24,-27.94) 18(15.24,-25.4) 19(15.24,-22.86) 20(15.24,-20.32) 21(15.24,-17.78) 22(15.24,-15.24) 23(15.24,-12.7) 24(15.24,-10.16) 25(15.24,-7.62) 26(15.24,-5.08) 27(15.24,-2.54) 28(15.24,0)
DIP-40_W15.24mm
  rrect 1.6x1.6 hole 0.8: 1(0,0)
  round 1.6 hole 0.8: 2(0,-2.54) 3(0,-5.08) 4(0,-7.62) 5(0,-10.16) 6(0,-12.7) 7(0,-15.24) 8(0,-17.78) 9(0,-20.32) 10(0,-22.86) 11(0,-25.4) 12(0,-27.94) 13(0,-30.48) 14(0,-33.02) 15(0,-35.56) 16(0,-38.1) 17(0,-40.64) 18(0,-43.18) 19(0,-45.72) 20(0,-48.26) 21(15.24,-48.26) 22(15.24,-45.72) 23(15.24,-43.18) 24(15.24,-40.64) 25(15.24,-38.1) 26(15.24,-35.56) 27(15.24,-33.02) 28(15.24,-30.48) 29(15.24,-27.94) 30(15.24,-25.4) 31(15.24,-22.86) 32(15.24,-20.32) 33(15.24,-17.78) 34(15.24,-15.24) 35(15.24,-12.7) 36(15.24,-10.16) 37(15.24,-7.62) 38(15.24,-5.08) 39(15.24,-2.54) 40(15.24,0)
LED_D5.0mm
  rect 1.8x1.8 hole 0.9: 1(0,0)
  round 1.8 hole 0.9: 2(2.54,0)
Lumberg_MSF_B2B-MSF-A_1x02_P2.50mm_Vertical
  rrect 1.7x3 hole 1: 1(0,0)
  oval 1.7x3 hole 1: 2(2.5,0)
Lumberg_MSF_B4B-MSF-A_1x04_P2.50mm_Vertical
  rrect 1.7x3 hole 1: 1(0,0)
  oval 1.7x3 hole 1: 2(2.5,0) 3(5,0) 4(7.5,0)
Lumberg_MSF_B6B-MSF-A_1x06_P2.50mm_Vertical
  rrect 1.7x3 hole 1: 1(0,0)
  oval 1.7x3 hole 1: 2(2.5,0) 3(5,0) 4(7.5,0) 5(10,0) 6(12.5,0)
Lumberg_MSF_B8B-MSF-A_1x08_P2.50mm_Vertical
  rrect 1.7x3 hole 1: 1(0,0)
  oval 1.7x3 hole 1: 2(2.5,0) 3(5,0) 4(7.5,0) 5(10,0) 6(12.5,0) 7(15,0) 8(17.5,0)
Lumberg_MSF_B10B-MSF-A_1x10_P2.50mm_Vertical
  rrect 1.7x3 hole 1: 1(0,0)
  oval 1.7x3 hole 1: 2(2.5,0) 3(5,0) 4(7.5,0) 5(10,0) 6(12.5,0) 7(15,0) 8(17.5,0) 9(20,0) 10(22.5,0)
Lumberg_MSF_B12B-MSF-A_1x12_P2.50mm_Vertical
  rrect 1.7x3 hole 1: 1(0,0)
  oval 1.7x3 hole 1: 2(2.5,0) 3(5,0) 4(7.5,0) 5(10,0) 6(12.5,0) 7(15,0) 8(17.5,0) 9(20,0) 10(22.5,0) 11(25,0) 12(27.5,0)
Lumberg_MSF_B16B-MSF-A_1x16_P2.50mm_Vertical
  rrect 1.7x3 hole 1: 1(0,0)
  oval 1.7x3 hole 1: 2(2.5,0) 3(5,0) 4(7.5,0) 5(10,0) 6(12.5,0) 7(15,0) 8(17.5,0) 9(20,0) 10(22.5,0) 11(25,0) 12(27.5,0) 13(30,0) 14(32.5,0) 15(35,0) 16(37.5,0)
Lumberg_MSF_B20B-MSF-A_1x20_P2.50mm_Vertical
  rrect 1.7x3 hole 1: 1(0,0)
  oval 1.7x3 hole 1: 2(2.5,0) 3(5,0) 4(7.5,0) 5(10,0) 6(12.5,0) 7(15,0) 8(17.5,0) 9(20,0) 10(22.5,0) 11(25,0) 12(27.5,0) 13(30,0) 14(32.5,0) 15(35,0) 16(37.5,0) 17(40,0) 18(42.5,0) 19(45,0) 20(47.5,0)
PinHeader_1x03_P2.54mm_Vertical
  round 1.7 hole 1: 1(0,0) 2(0,-2.54) 3(0,-5.08)
R_Array_SIP5
  rect 1.6x1.6 hole 0.8: 1(0,0)
  round 1.6 hole 0.8: 2(2.54,0) 3(5.08,0) 4(7.62,0) 5(10.16,0)
R_Array_SIP9
  rect 1.6x1.6 hole 0.8: 1(0,0)
  round 1.6 hole 0.8: 2(2.54,0) 3(5.08,0) 4(7.62,0) 5(10.16,0) 6(12.7,0) 7(15.24,0) 8(17.78,0) 9(20.32,0)
R_Axial_DIN0207_L6.3mm_D2.5mm_P10.16mm_Horizontal
  round 1.6 hole 0.8: 1(0,0) 2(10.16,0)
R_Axial_DIN0309_L9.0mm_D3.2mm_P15.24mm_Horizontal
  round 1.6 hole 0.8: 1(0,0) 2(15.24,0)
R_Axial_DIN0414_L11.9mm_D4.5mm_P20.32mm_Horizontal
  round 2.4 hole 1.2: 1(0,0) 2(20.32,0)
SIP9_Housing
  rect 1.8x1.8 hole 1: 1(0,0)
  round 1.8 hole 1: 2(2.54,0) 3(5.08,0) 4(7.62,0) 5(10.16,0) 6(12.7,0) 7(15.24,0) 8(17.78,0) 9(20.32,0)
SW_DIP_SPSTx04_Slide_9.78x12.34mm_W7.62mm_P2.54mm
  rrect 1.6x1.6 hole 0.8: 1(0,0)
  round 1.6 hole 0.8: 2(0,-2.54) 3(0,-5.08) 4(0,-7.62) 5(7.62,-7.62) 6(7.62,-5.08) 7(7.62,-2.54) 8(7.62,0)
